# Altium PCB PuttPilot-Dev.PcbDoc (part 1 of 2)
Units mm, origin at the board's own origin, x right, y up, seen from the top; angles counter-clockwise.
Board outline 150 x 60 mm, 4 copper layers (L01-SIG, L02-GND, L03-PWR, L04-SIG), stack 0.603 mm thick; 253 components, 165 nets, 696 pads, 557 vias.
Unrouted connection lines stored in the file: 140.
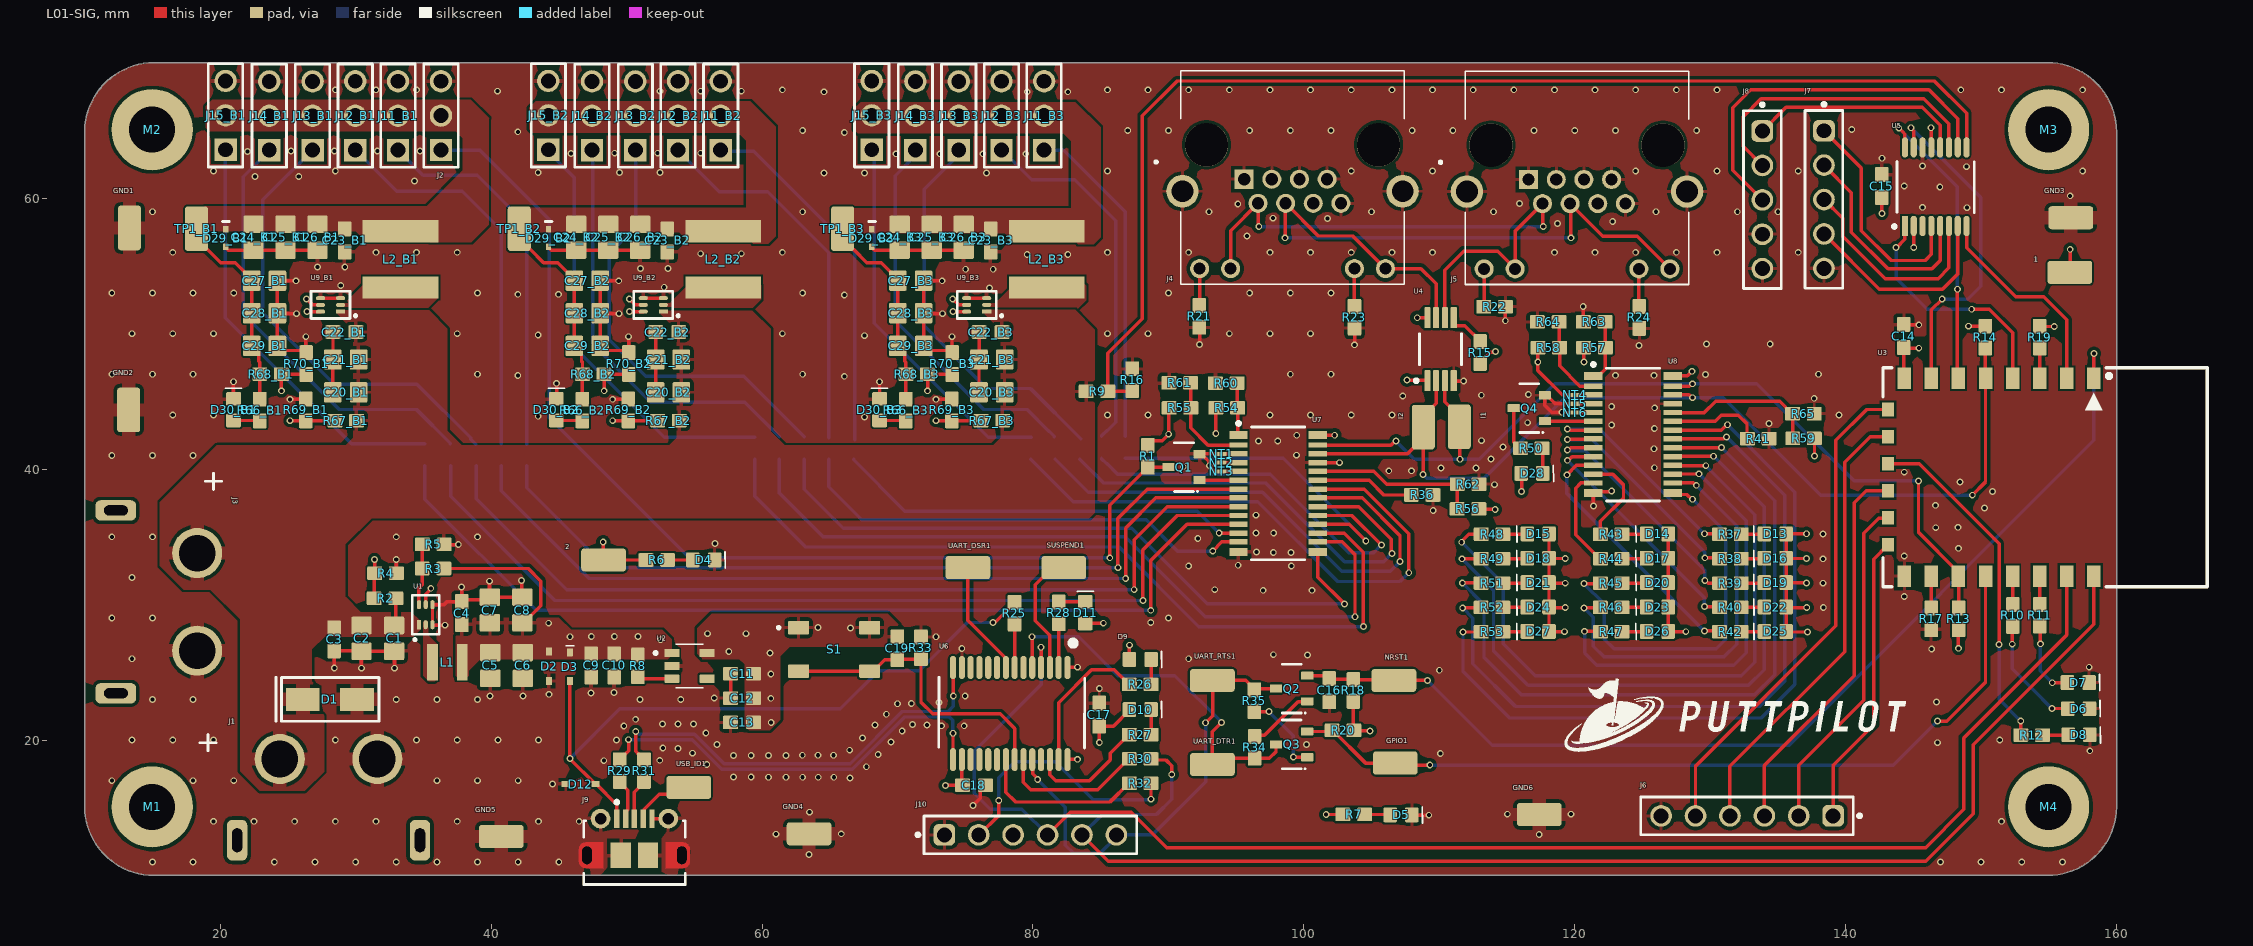
[diagram p0: L01-SIG view]
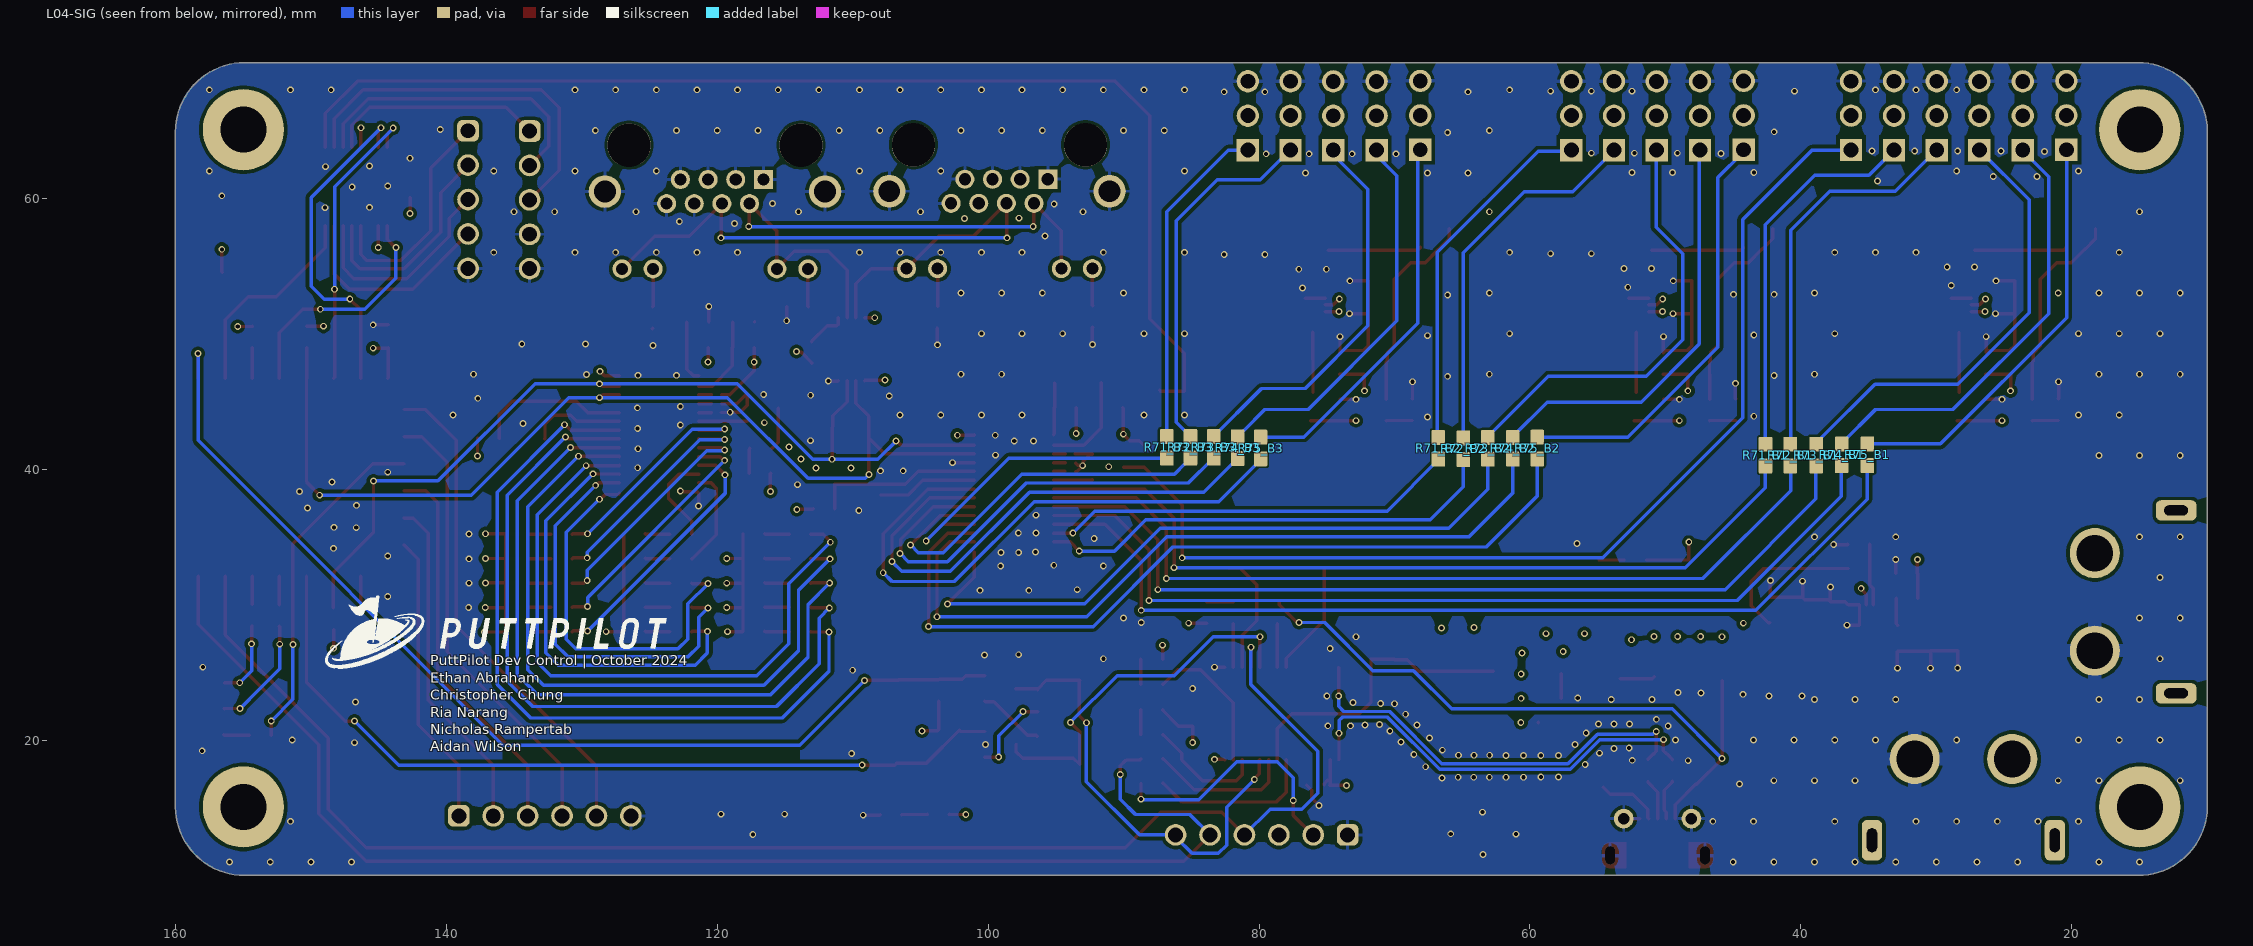
[diagram p1: L04-SIG view, seen from below]
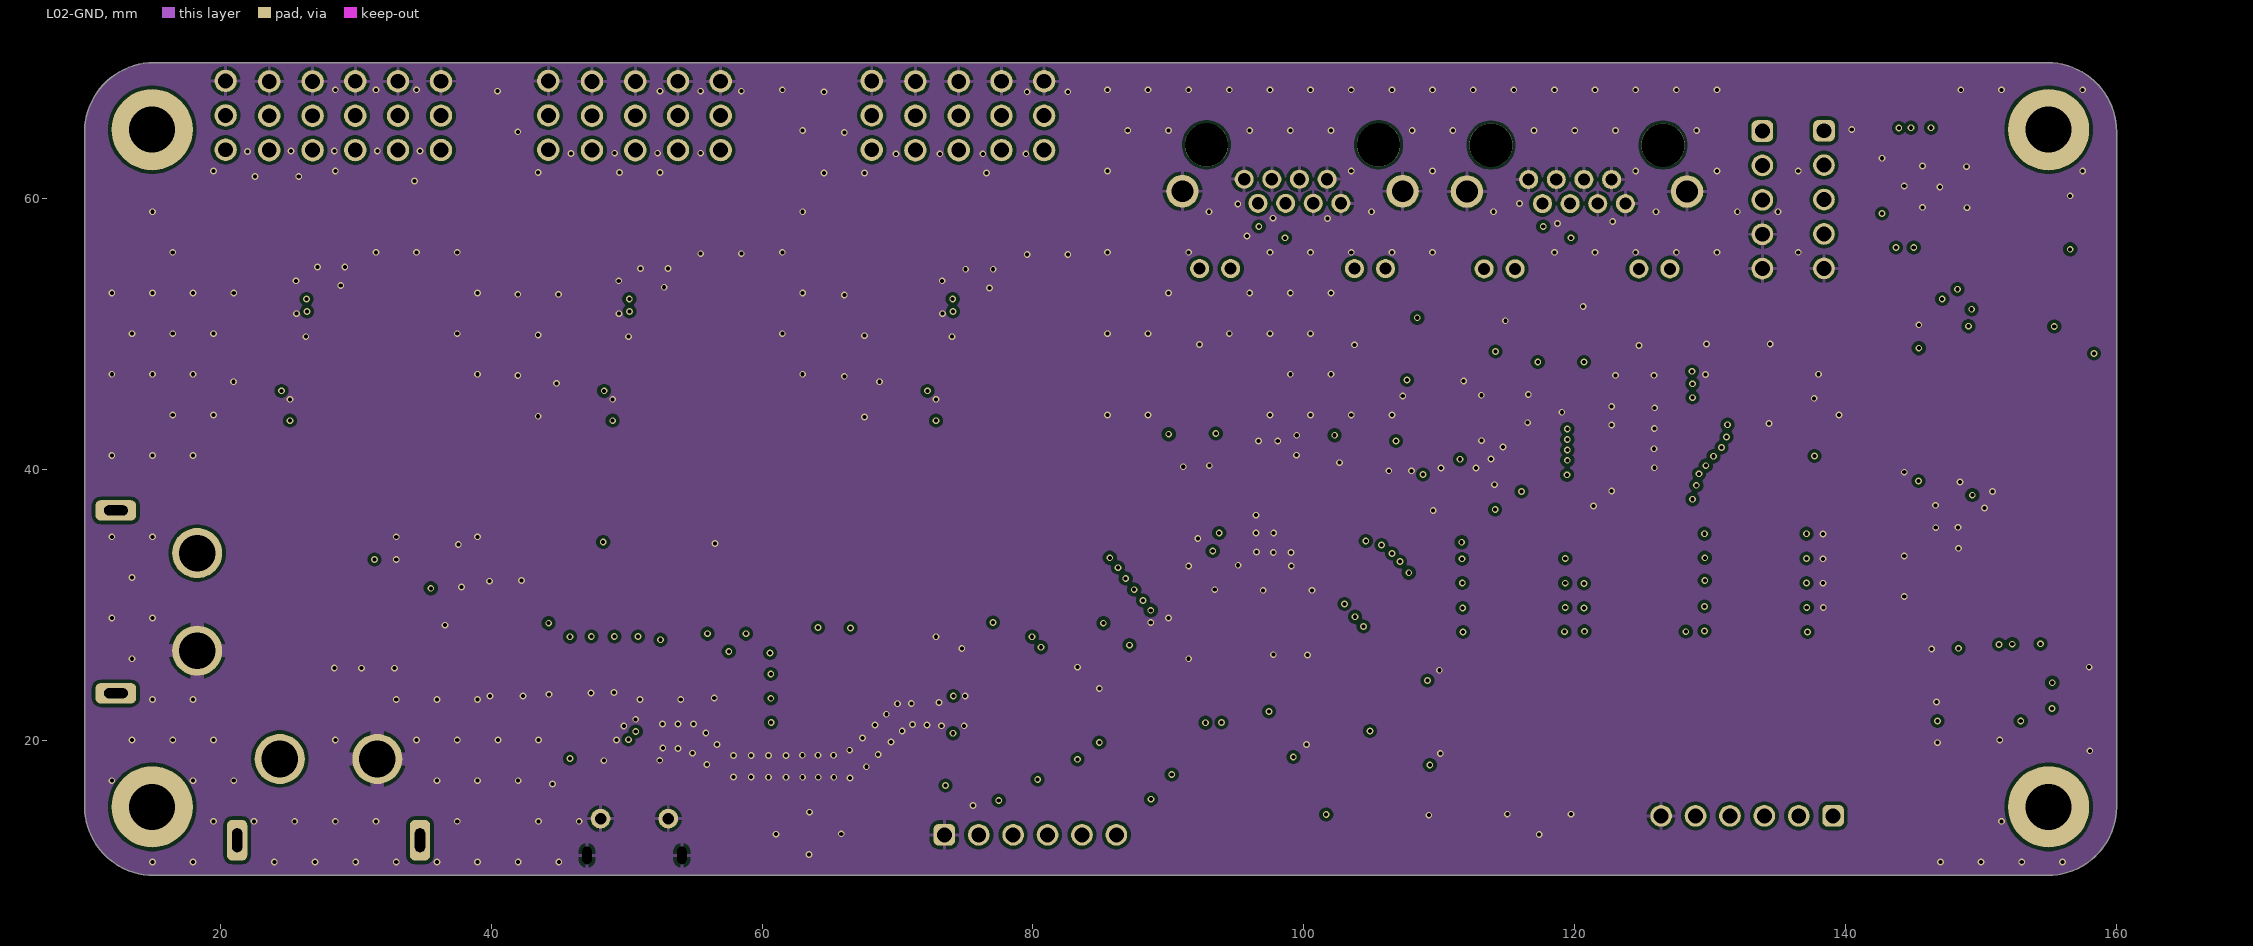
[diagram p2: L02-GND]
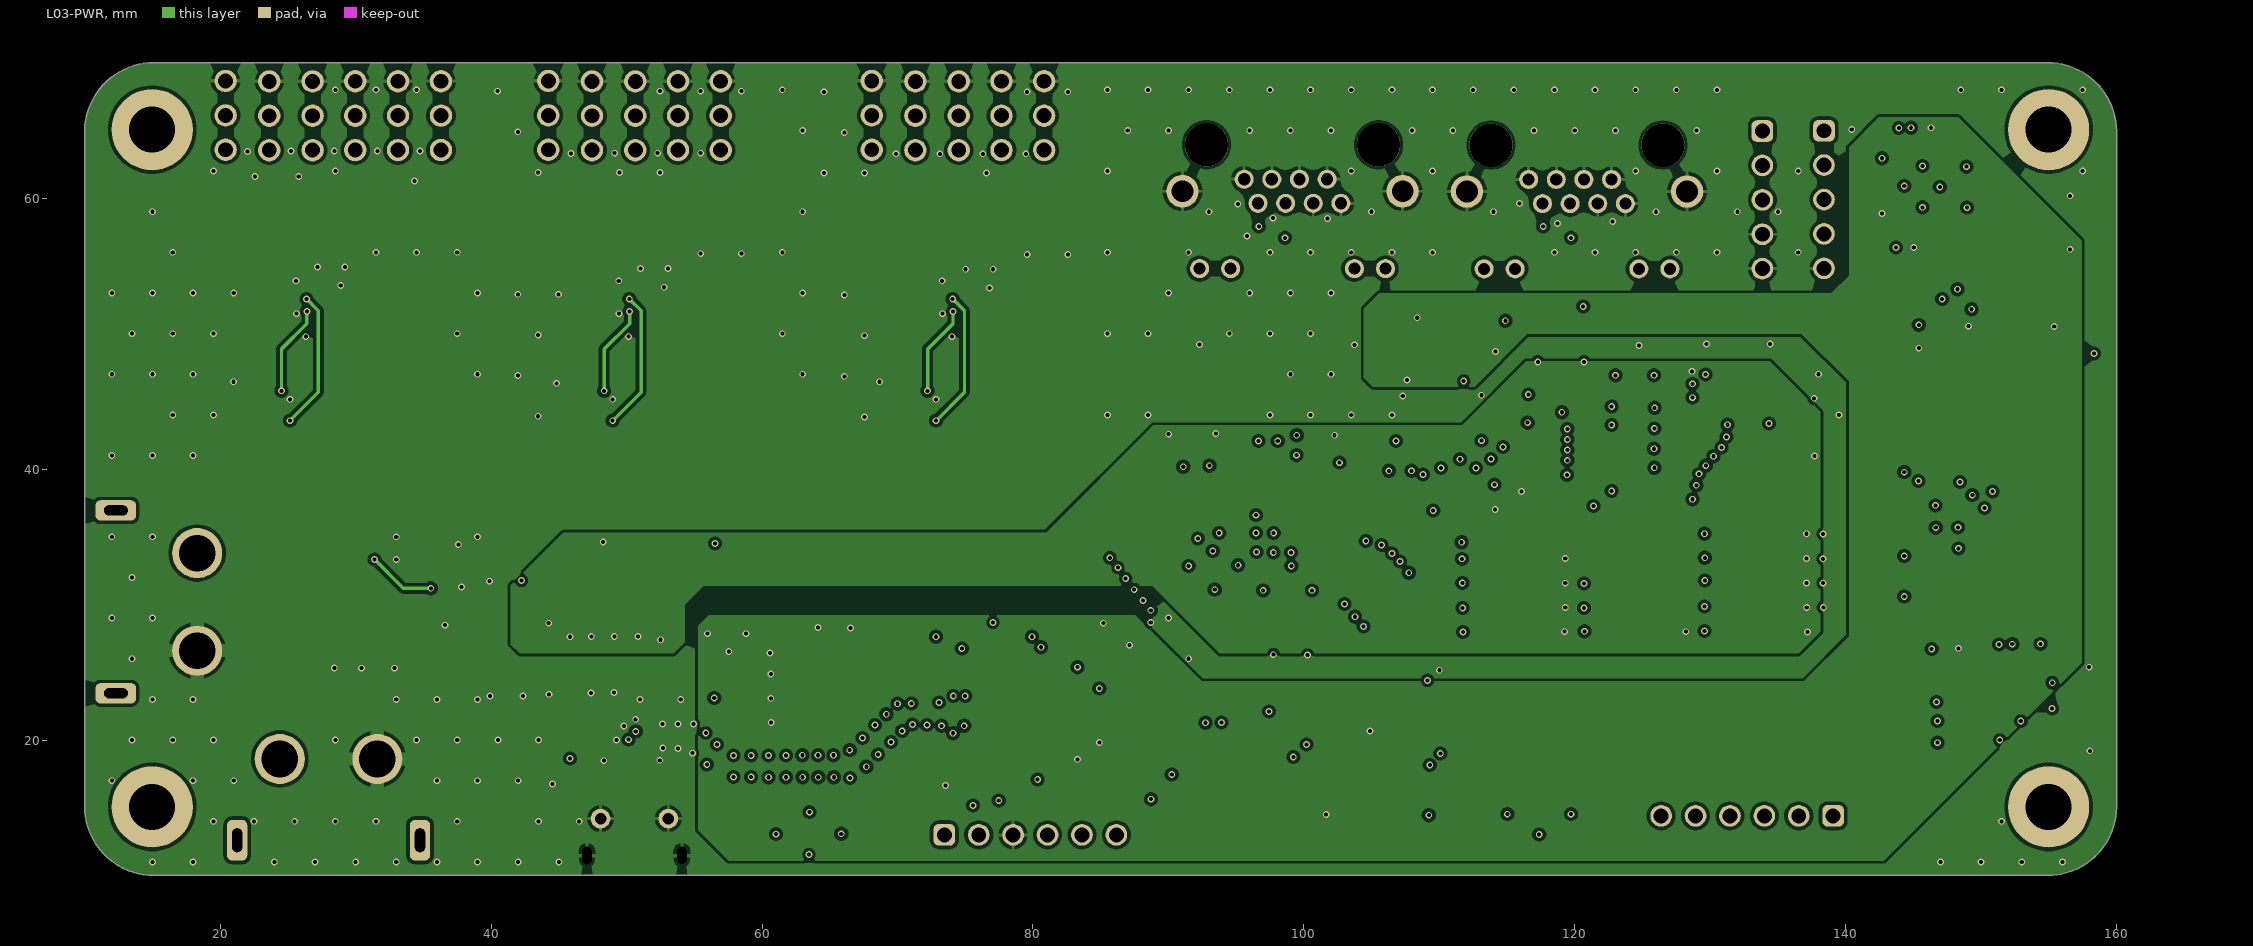
[diagram p3: L03-PWR]
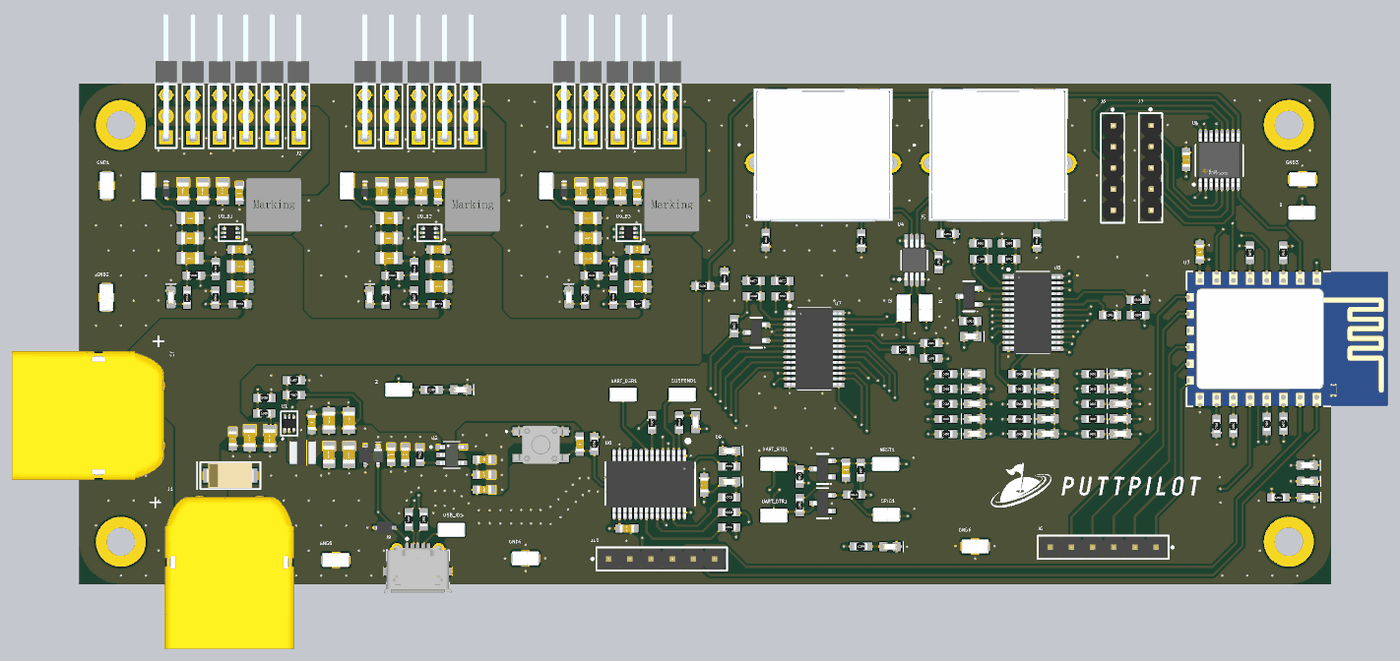
[diagram p5: 3D render of the assembled board from above, using the file's embedded part models]
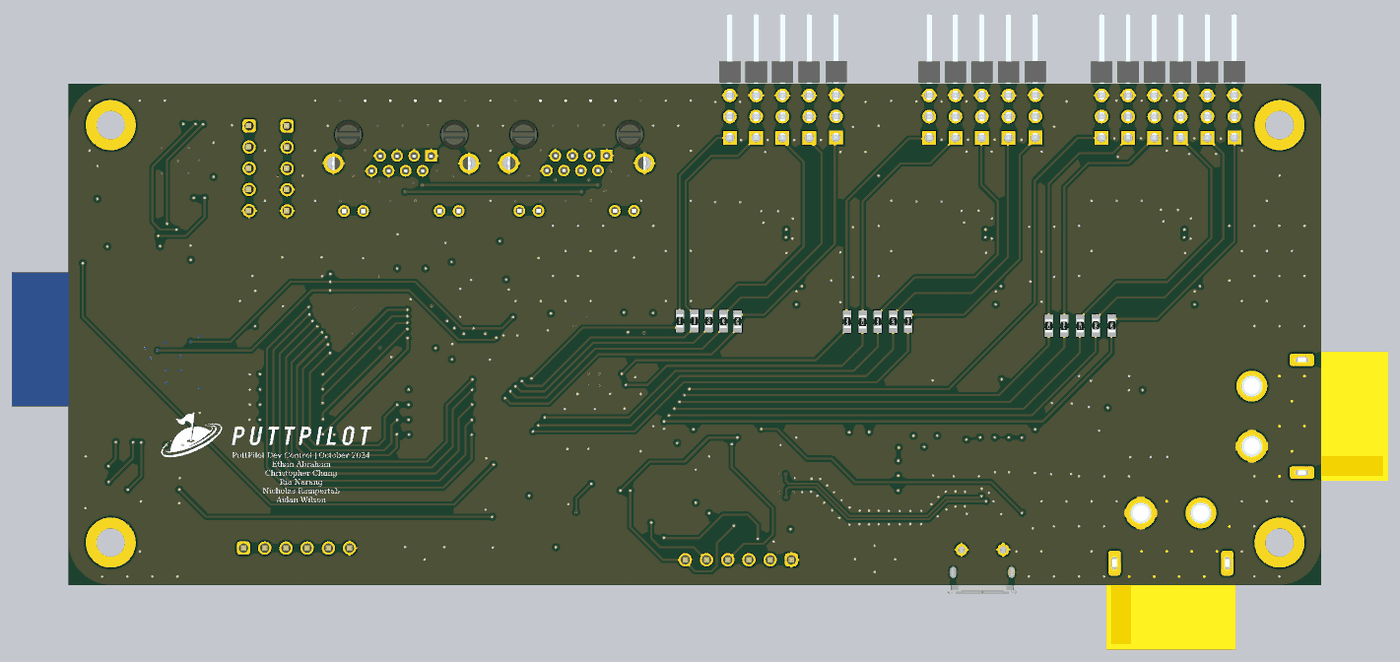
[diagram p6: 3D render of the assembled board from below, using the file's embedded part models]

## Layer stack, top to bottom
Top Solder: solder mask 0.0102, Solder Resist, Dk 3.5
L01-SIG: signal copper 0.0356
Dielectric 2: prepreg 0.0711, PP-006, Dk 4.1
L02-GND: signal copper 0.035
Dielectric 1: dielectric 0.32, FR-4, Dk 4.8
L03-PWR: signal copper 0.035
Dielectric 3: prepreg 0.0711, PP-006, Dk 4.1
L04-SIG: signal copper 0.0356
Bottom Solder: solder mask 0.0102, Solder Resist, Dk 3.5

## Board outline
15.1,10 cw(c15.1,15.1) 10,15.1 10,64.9 cw(c15.1,64.9) 15.1,70 15.101,70 154.899,70 154.9,70 cw(c154.9,64.9) 160,64.9 160,59.4 160,20.125 160,15.05 cw(c154.9,15.1) 154.9,10

## Design rules (kind name [scope] priority, off if disabled: settings)
Clearance [Not InComponent('NT*')] p1: gap=0.254 ignorepadtopadclearanceinfootprint=FALSE except(0: Arc-Hole Track-Hole SMDPad-Hole THPad-Hole Via-Hole Text-Hole; 0.1: SMDPad-SMDPad; 0.15: Arc-Arc Arc-Track Arc-SMDPad Arc-Via Track-Track Track-SMDPad Track-Via SMDPad-Fill SMDPad-Poly SMDPad-Region; 0.2: Fill-Fill Fill-Poly Fill-Region Fill-Hole Poly-Poly Poly-Region Poly-Hole Region-Region Region-Hole)
HoleSize [All] p1: absolutevalues=TRUE maxlimit=4 minlimit=0.025 maxpercent=80.000 minpercent=20.000
MinimumSolderMaskSliver [All] p1: minsoldermaskwidth=0.01
PolygonConnect [All] p1: connectstyle=Relief reliefconductorwidth=0.254 reliefentries=4 polygonreliefangle="90 Angle" airgapwidth=0.254
RoomDefinition B3 [InComponentClass('B3')] p1: confinementstyle=ConfineIn formatcopy=TRUE lockcomponents=FALSE outline 64.1,41.9 85.025,41.9 85.025,78.9 64.1,78.9
RoomDefinition B2 [InComponentClass('B2')] p2: confinementstyle=ConfineIn formatcopy=TRUE lockcomponents=FALSE outline 40.225,41.9 61.15,41.9 61.15,78.9 40.225,78.9
RoomDefinition B1 [InComponentClass('B1')] p3: confinementstyle=ConfineIn formatcopy=TRUE lockcomponents=FALSE outline 16.4,41.9 37.325,41.9 37.325,78.9 16.4,78.9
RoutingVias [All] p1: holewidth=0.25 width=0.5 viastyle="Through Hole" minholewidth=0.25 minwidth=0.5 maxholewidth=0.25 maxwidth=0.5
ShortCircuit [Not InComponent('NT*')] p1: allowed=FALSE
SilkToSolderMaskClearance [IsPad] p1: minsilkscreentomaskgap=0.127 clearancetoexposedcopper=TRUE
SolderMaskExpansion [All] p1: expansion=0.102 istentingtop=FALSE
SupplyNets "Schematic Supply Nets_4" [InNet('VBUS_USB')] p1: voltage=0.000
SupplyNets "Schematic Supply Nets_3" [InNet('12V')] p2: voltage=0.000
SupplyNets "Schematic Supply Nets_2" [InNet('5V')] p3: voltage=0.000
SupplyNets "Schematic Supply Nets_1" [InNet('GND')] p4: voltage=0.000
SupplyNets "Schematic Supply Nets" [InNet('3V3')] p5: voltage=0.000
Width [All] p1: maxlimit=1 minlimit=0.254 preferedwidth=0.254 minimp=50.000000 maximp=50.000000 favimp=50.000000
26 further rules are at their usual default settings.

## Classes and differential pairs
net class SERVO_PWM_5_[1..3]: SERVO_PWM_5_1 SERVO_PWM_5_2 SERVO_PWM_5_3
net class SERVO_PWM_4_[1..3]: SERVO_PWM_4_1 SERVO_PWM_4_2 SERVO_PWM_4_3
net class SERVO_PWM_3_[1..3]: SERVO_PWM_3_1 SERVO_PWM_3_2 SERVO_PWM_3_3
net class SERVO_PWM_2_[1..3]: SERVO_PWM_2_1 SERVO_PWM_2_2 SERVO_PWM_2_3
net class SERVO_PWM_1_[1..3]: SERVO_PWM_1_1 SERVO_PWM_1_2 SERVO_PWM_1_3
net class 6V_BUS[1..3]: 6V_BUS1 6V_BUS2 6V_BUS3
component class U_UART_TO_UART: C17 C18 C19 D9 D10 D11 D12 GPIO1 J9 J10 NRST1 Q2 Q3 R25 R26 R27 R28 R29 R30 R31 R32 R33 R34 R35 S1 SUSPEND1 U6 UART_DSR1 UART_DTR1 UART_RTS1 USB_ID1
component class U_ESP-Power: 1 2 C1 C2 C3 C4 C5 C6 C7 C8 C9 C10 C11 C12 C13 D2 D3 D4 D5 GND1 GND2 GND3 GND4 GND5 GND6 L1 R2 R3 R4 R5 R6 R7 R8 U1 U2
component class U_ESP8266: C14 C15 C16 D6 D7 D8 J4 J5 J6 J7 J8 R9 R10 R11 R12 R13 R14 R15 R16 R17 R18 R19 R20 R21 R22 R23 R24 U3 U4 U5
component class Hierarchal: D1 J1 J2 J3 M1 M2 M3 M4 Q1 R1
channel class Servo-Power: B1 B2 B3
component class U_PWM_CONTROL: D13 D14 D15 D16 D17 D18 D19 D20 D21 D22 D23 D24 D25 D26 D27 D28 I1 I2 NT1 NT2 NT3 NT4 NT5 NT6 Q4 R36 R37 R38 R39 R40 R41 R42 R43 R44 R45 R46 R47 R48 R49 R50 R51 R52 R53 R54 R55 R56 R57 R58 R59 R60 R61 R62 R63 R64 R65 U7 U8
component class B3: C20_B3 C21_B3 C22_B3 C23_B3 C24_B3 C25_B3 C26_B3 C27_B3 C28_B3 C29_B3 D29_B3 D30_B3 J11_B3 J12_B3 J13_B3 J14_B3 J15_B3 L2_B3 R66_B3 R67_B3 R68_B3 R69_B3 R70_B3 R71_B3 R72_B3 R73_B3 R74_B3 R75_B3 TP1_B3 U9_B3
component class B2: C20_B2 C21_B2 C22_B2 C23_B2 C24_B2 C25_B2 C26_B2 C27_B2 C28_B2 C29_B2 D29_B2 D30_B2 J11_B2 J12_B2 J13_B2 J14_B2 J15_B2 L2_B2 R66_B2 R67_B2 R68_B2 R69_B2 R70_B2 R71_B2 R72_B2 R73_B2 R74_B2 R75_B2 TP1_B2 U9_B2
component class B1: C20_B1 C21_B1 C22_B1 C23_B1 C24_B1 C25_B1 C26_B1 C27_B1 C28_B1 C29_B1 D29_B1 D30_B1 J11_B1 J12_B1 J13_B1 J14_B1 J15_B1 L2_B1 R66_B1 R67_B1 R68_B1 R69_B1 R70_B1 R71_B1 R72_B1 R73_B1 R74_B1 R75_B1 TP1_B1 U9_B1

## Components (designator, comment, footprint, x,y, rotation, side; value= is the part's Value field where it differs from the comment)
1 "RCWCTE" RCWCTE 156.52,54.605 r180 top
2 "RCWCTE" RCWCTE 48.275,33.375 r180 top
C1 "GRM21BR61E226ME44K" .CAP_0805 32.875,27.55 r90 top
C2 "GRM21BR61E226ME44K" .CAP_0805 30.475,27.55 r90 top
C3 "GCJ188R71H104KA12D" .CAP_0603 28.475,27.45 r90 top
C4 "GCJ188R71H104KA12D" .CAP_0603 37.775,29.35 r270 top
C5 "GRM21BR61E226ME44K" .CAP_0805 39.975,25.55 r90 top
C6 "GRM21BR61E226ME44K" .CAP_0805 42.375,25.55 r90 top
C7 "GRM21BR61E226ME44K" .CAP_0805 39.875,29.55 r270 top
C8 "GRM21BR61E226ME44K" .CAP_0805 42.275,29.55 r270 top
C9 "GRT188R71E105KE13D" .CAP_0603 47.45,25.525 r90 top
C10 "GRT188R71E105KE13D" .CAP_0603 49.15,25.525 r90 top
C11 "GCJ188R71H104KA12D" .CAP_0603 58.55,24.825 r0 top
C12 "GRT188R71E105KE13D" .CAP_0603 58.55,23.025 r0 top
C13 "GRT188R71E105KE13D" .CAP_0603 58.55,21.225 r0 top
C14 "GCJ188R71H104KA12D" .CAP_0603 144.225,49.8 r270 top
C15 "GCJ188R71H104KA12D" .CAP_0603 142.6,60.875 r270 top
C16 "GCJ188R71H104KA12D" .CAP_0603 101.95,23.7 r90 top
C17 "GCJ188R71H104KA12D" .CAP_0603 84.825,21.85 r270 top
C18 "GCJ188R71H104KA12D" .CAP_0603 75.625,16.725 r180 top
C19 "GCM188R72A103KA37D" .CAP_0603 69.925,26.75 r270 top
C20_B1 "GRM21BR61E226ME44K" .CAP_0805 29.314,45.635 r0 top (schematic designator C20)
C20_B2 "GRM21BR61E226ME44K" .CAP_0805 53.139,45.635 r0 top (schematic designator C20)
C20_B3 "GRM21BR61E226ME44K" .CAP_0805 77.014,45.635 r0 top (schematic designator C20)
C21_B1 "GRM21BR61E226ME44K" .CAP_0805 29.314,48.048 r0 top (schematic designator C21)
C21_B2 "GRM21BR61E226ME44K" .CAP_0805 53.139,48.048 r0 top (schematic designator C21)
C21_B3 "GRM21BR61E226ME44K" .CAP_0805 77.014,48.048 r0 top (schematic designator C21)
C22_B1 "GCJ188R71H104KA12D" .CAP_0603 29.2,50.05 r0 top (schematic designator C22)
C22_B2 "GCJ188R71H104KA12D" .CAP_0603 53.025,50.05 r0 top (schematic designator C22)
C22_B3 "GCJ188R71H104KA12D" .CAP_0603 76.9,50.05 r0 top (schematic designator C22)
C23_B1 "GCJ188R71H104KA12D" .CAP_0603 29.252,56.904 r90 top (schematic designator C23)
C23_B2 "GCJ188R71H104KA12D" .CAP_0603 53.077,56.904 r90 top (schematic designator C23)
C23_B3 "GCJ188R71H104KA12D" .CAP_0603 76.952,56.904 r90 top (schematic designator C23)
C24_B1 "GRM21BR61E226ME44K" .CAP_0805 22.496,57.158 r90 top (schematic designator C24)
C24_B2 "GRM21BR61E226ME44K" .CAP_0805 46.321,57.158 r90 top (schematic designator C24)
C24_B3 "GRM21BR61E226ME44K" .CAP_0805 70.196,57.158 r90 top (schematic designator C24)
C25_B1 "GRM21BR61E226ME44K" .CAP_0805 24.858,57.158 r90 top (schematic designator C25)
C25_B2 "GRM21BR61E226ME44K" .CAP_0805 48.683,57.158 r90 top (schematic designator C25)
C25_B3 "GRM21BR61E226ME44K" .CAP_0805 72.558,57.158 r90 top (schematic designator C25)
C26_B1 "GRM21BR61E226ME44K" .CAP_0805 27.22,57.158 r90 top (schematic designator C26)
C26_B2 "GRM21BR61E226ME44K" .CAP_0805 51.045,57.158 r90 top (schematic designator C26)
C26_B3 "GRM21BR61E226ME44K" .CAP_0805 74.92,57.158 r90 top (schematic designator C26)
C27_B1 "GRM21BR61E226ME44K" .CAP_0805 23.233,53.946 r180 top (schematic designator C27)
C27_B2 "GRM21BR61E226ME44K" .CAP_0805 47.058,53.946 r180 top (schematic designator C27)
C27_B3 "GRM21BR61E226ME44K" .CAP_0805 70.933,53.946 r180 top (schematic designator C27)
C28_B1 "GRM21BR61E226ME44K" .CAP_0805 23.233,51.544 r180 top (schematic designator C28)
C28_B2 "GRM21BR61E226ME44K" .CAP_0805 47.058,51.544 r180 top (schematic designator C28)
C28_B3 "GRM21BR61E226ME44K" .CAP_0805 70.933,51.544 r180 top (schematic designator C28)
C29_B1 "GRM21BR61E226ME44K" .CAP_0805 23.233,49.131 r180 top (schematic designator C29)
C29_B2 "GRM21BR61E226ME44K" .CAP_0805 47.058,49.131 r180 top (schematic designator C29)
C29_B3 "GRM21BR61E226ME44K" .CAP_0805 70.933,49.131 r180 top (schematic designator C29)
D1 "SMAJ12A-13-F" SMAJ12A-13-F 28.1,23 r180 top
D2 "DESD5V0U1BA-7" DESD5V0U1BA-7 44.275,25.45 r90 top
D3 "BAT60JFILM" BAT60JFILM 45.775,25.475 r90 top
D4 "LTST-C191KGKT" .LED_0603 55.65,33.34 r0 top
D5 "LTST-C191KGKT" .LED_0603 107.125,14.515 r0 top
D6 "LTST-C191KGKT" .LED_0603 157.15,22.35 r0 top
D7 "LTST-C191KGKT" .LED_0603 157.125,24.275 r0 top
D8 "LTST-C191KGKT" .LED_0603 157.175,20.425 r0 top
D9 "LTST-C191KGKT" .LED_0603 87.875,25.99 r0 top
D10 "LTST-C191KGKT" .LED_0603 87.875,22.29 r0 top
D11 "LTST-C191KGKT" .LED_0603 83.825,29.35 r90 top
D12 "DESD5V0U1BA-7" DESD5V0U1BA-7 46.6,16.75 r0 top
D13 "LTST-C191KGKT" .LED_0603 134.85,35.175 r180 top
D14 "LTST-C191KGKT" .LED_0603 126.15,35.175 r180 top
D15 "LTST-C191KGKT" .LED_0603 117.35,35.175 r180 top
D16 "LTST-C191KGKT" .LED_0603 134.85,33.375 r180 top
D17 "LTST-C191KGKT" .LED_0603 126.15,33.375 r180 top
D18 "LTST-C191KGKT" .LED_0603 117.35,33.375 r180 top
D19 "LTST-C191KGKT" .LED_0603 134.85,31.575 r180 top
D20 "LTST-C191KGKT" .LED_0603 126.15,31.575 r180 top
D21 "LTST-C191KGKT" .LED_0603 117.35,31.575 r180 top
D22 "LTST-C191KGKT" .LED_0603 134.85,29.775 r180 top
D23 "LTST-C191KGKT" .LED_0603 126.15,29.775 r180 top
D24 "LTST-C191KGKT" .LED_0603 117.35,29.775 r180 top
D25 "LTST-C191KGKT" .LED_0603 134.85,27.975 r180 top
D26 "LTST-C191KGKT" .LED_0603 126.15,27.975 r180 top
D27 "LTST-C191KGKT" .LED_0603 117.35,27.975 r180 top
D28 "LTST-C191KGKT" .LED_0603 116.8,39.725 r0 top
D29_B1 "ESD5Z6.0T1G" ESD5Z6.0T1G 20.413,57.056 r270 top (schematic designator D29)
D29_B2 "ESD5Z6.0T1G" ESD5Z6.0T1G 44.238,57.056 r270 top (schematic designator D29)
D29_B3 "ESD5Z6.0T1G" ESD5Z6.0T1G 68.113,57.056 r270 top (schematic designator D29)
D30_B1 "LTST-C191KGKT" .LED_0603 20.947,44.338 r90 top (schematic designator D30)
D30_B2 "LTST-C191KGKT" .LED_0603 44.772,44.338 r90 top (schematic designator D30)
D30_B3 "LTST-C191KGKT" .LED_0603 68.647,44.338 r90 top (schematic designator D30)
GND1 "RCWCTE" RCWCTE 13.38,57.83 r90 top
GND2 "RCWCTE" RCWCTE 13.325,44.4 r90 top
GND3 "RCWCTE" RCWCTE 156.65,58.475 r0 top
GND4 "RCWCTE" RCWCTE 63.445,13.155 r180 top
GND5 "RCWCTE" RCWCTE 40.72,12.955 r180 top
GND6 "RCWCTE" RCWCTE 117.345,14.58 r180 top
GPIO1 "RCWCTE" RCWCTE 106.72,18.38 r180 top
I1 "RCWCTE" RCWCTE 111.555,43.155 r90 top
I2 "RCWCTE" RCWCTE 108.9,43.125 r90 top
J1 "XT60PW-M" XT60PW-M 28,12.6 r180 top locked
J2 "TSW-101-08-G-T-RA" HEADER_3POS_R/A_2.54MM 36.227,65.485 r0 top
J3 "XT60PW-M" XT60PW-M 12.3,30.2 r90 top locked
J4 "MTJ-88ARX1-FSM-LG" MTJ-88ARX1-FSM-LG 99,61.937 r180 top
J5 "MTJ-88ARX1-FSM-LG" MTJ-88ARX1-FSM-LG 120,61.917 r180 top
J6 "PRPC040SAAN-RC_POS6" HEADER_6POS_2.54MM 132.725,14.4 r180 top
J7 "PRPC040SAAN-RC_POS5" HEADER_5POS_2.54MM 138.4,59.9 r270 top
J8 "PRPC040SAAN-RC_POS5" HEADER_5POS_2.54MM 133.85,59.875 r270 top
J9 "1050170001" USB_MICRO_B 50.6,11.8 r0 top
J10 "PRPC040SAAN-RC_POS6" HEADER_6POS_2.54MM 79.81,13 r0 top
J11_B1 "TSW-101-08-G-T-RA" HEADER_3POS_R/A_2.54MM 33.053,65.481 r0 top (schematic designator J11)
J11_B2 "TSW-101-08-G-T-RA" HEADER_3POS_R/A_2.54MM 56.878,65.481 r0 top (schematic designator J11)
J11_B3 "TSW-101-08-G-T-RA" HEADER_3POS_R/A_2.54MM 80.753,65.481 r0 top (schematic designator J11)
J12_B1 "TSW-101-08-G-T-RA" HEADER_3POS_R/A_2.54MM 29.903,65.481 r0 top (schematic designator J12)
J12_B2 "TSW-101-08-G-T-RA" HEADER_3POS_R/A_2.54MM 53.728,65.481 r0 top (schematic designator J12)
J12_B3 "TSW-101-08-G-T-RA" HEADER_3POS_R/A_2.54MM 77.603,65.481 r0 top (schematic designator J12)
J13_B1 "TSW-101-08-G-T-RA" HEADER_3POS_R/A_2.54MM 26.75,65.475 r0 top (schematic designator J13)
J13_B2 "TSW-101-08-G-T-RA" HEADER_3POS_R/A_2.54MM 50.575,65.475 r0 top (schematic designator J13)
J13_B3 "TSW-101-08-G-T-RA" HEADER_3POS_R/A_2.54MM 74.45,65.475 r0 top (schematic designator J13)
J14_B1 "TSW-101-08-G-T-RA" HEADER_3POS_R/A_2.54MM 23.55,65.475 r0 top (schematic designator J14)
J14_B2 "TSW-101-08-G-T-RA" HEADER_3POS_R/A_2.54MM 47.375,65.475 r0 top (schematic designator J14)
J14_B3 "TSW-101-08-G-T-RA" HEADER_3POS_R/A_2.54MM 71.25,65.475 r0 top (schematic designator J14)
J15_B1 "TSW-101-08-G-T-RA" HEADER_3POS_R/A_2.54MM 20.328,65.506 r0 top (schematic designator J15)